# KiCad board coco2.kicad_pcb
title: TRS-80 Color Computer 2 NTSC ( 26-3134A & 26-3136A); date: 2022-03-05; rev: 1.0.0; company: TRS-80 Color Computer 2 (26-3134A & 26-3136A); note: DWG NO 20261044; note: Based on  "Color Computer 2 Schematic (Rev. A) (Tandy).pdf"; note: Kicad schematic capture by Rocky Hill
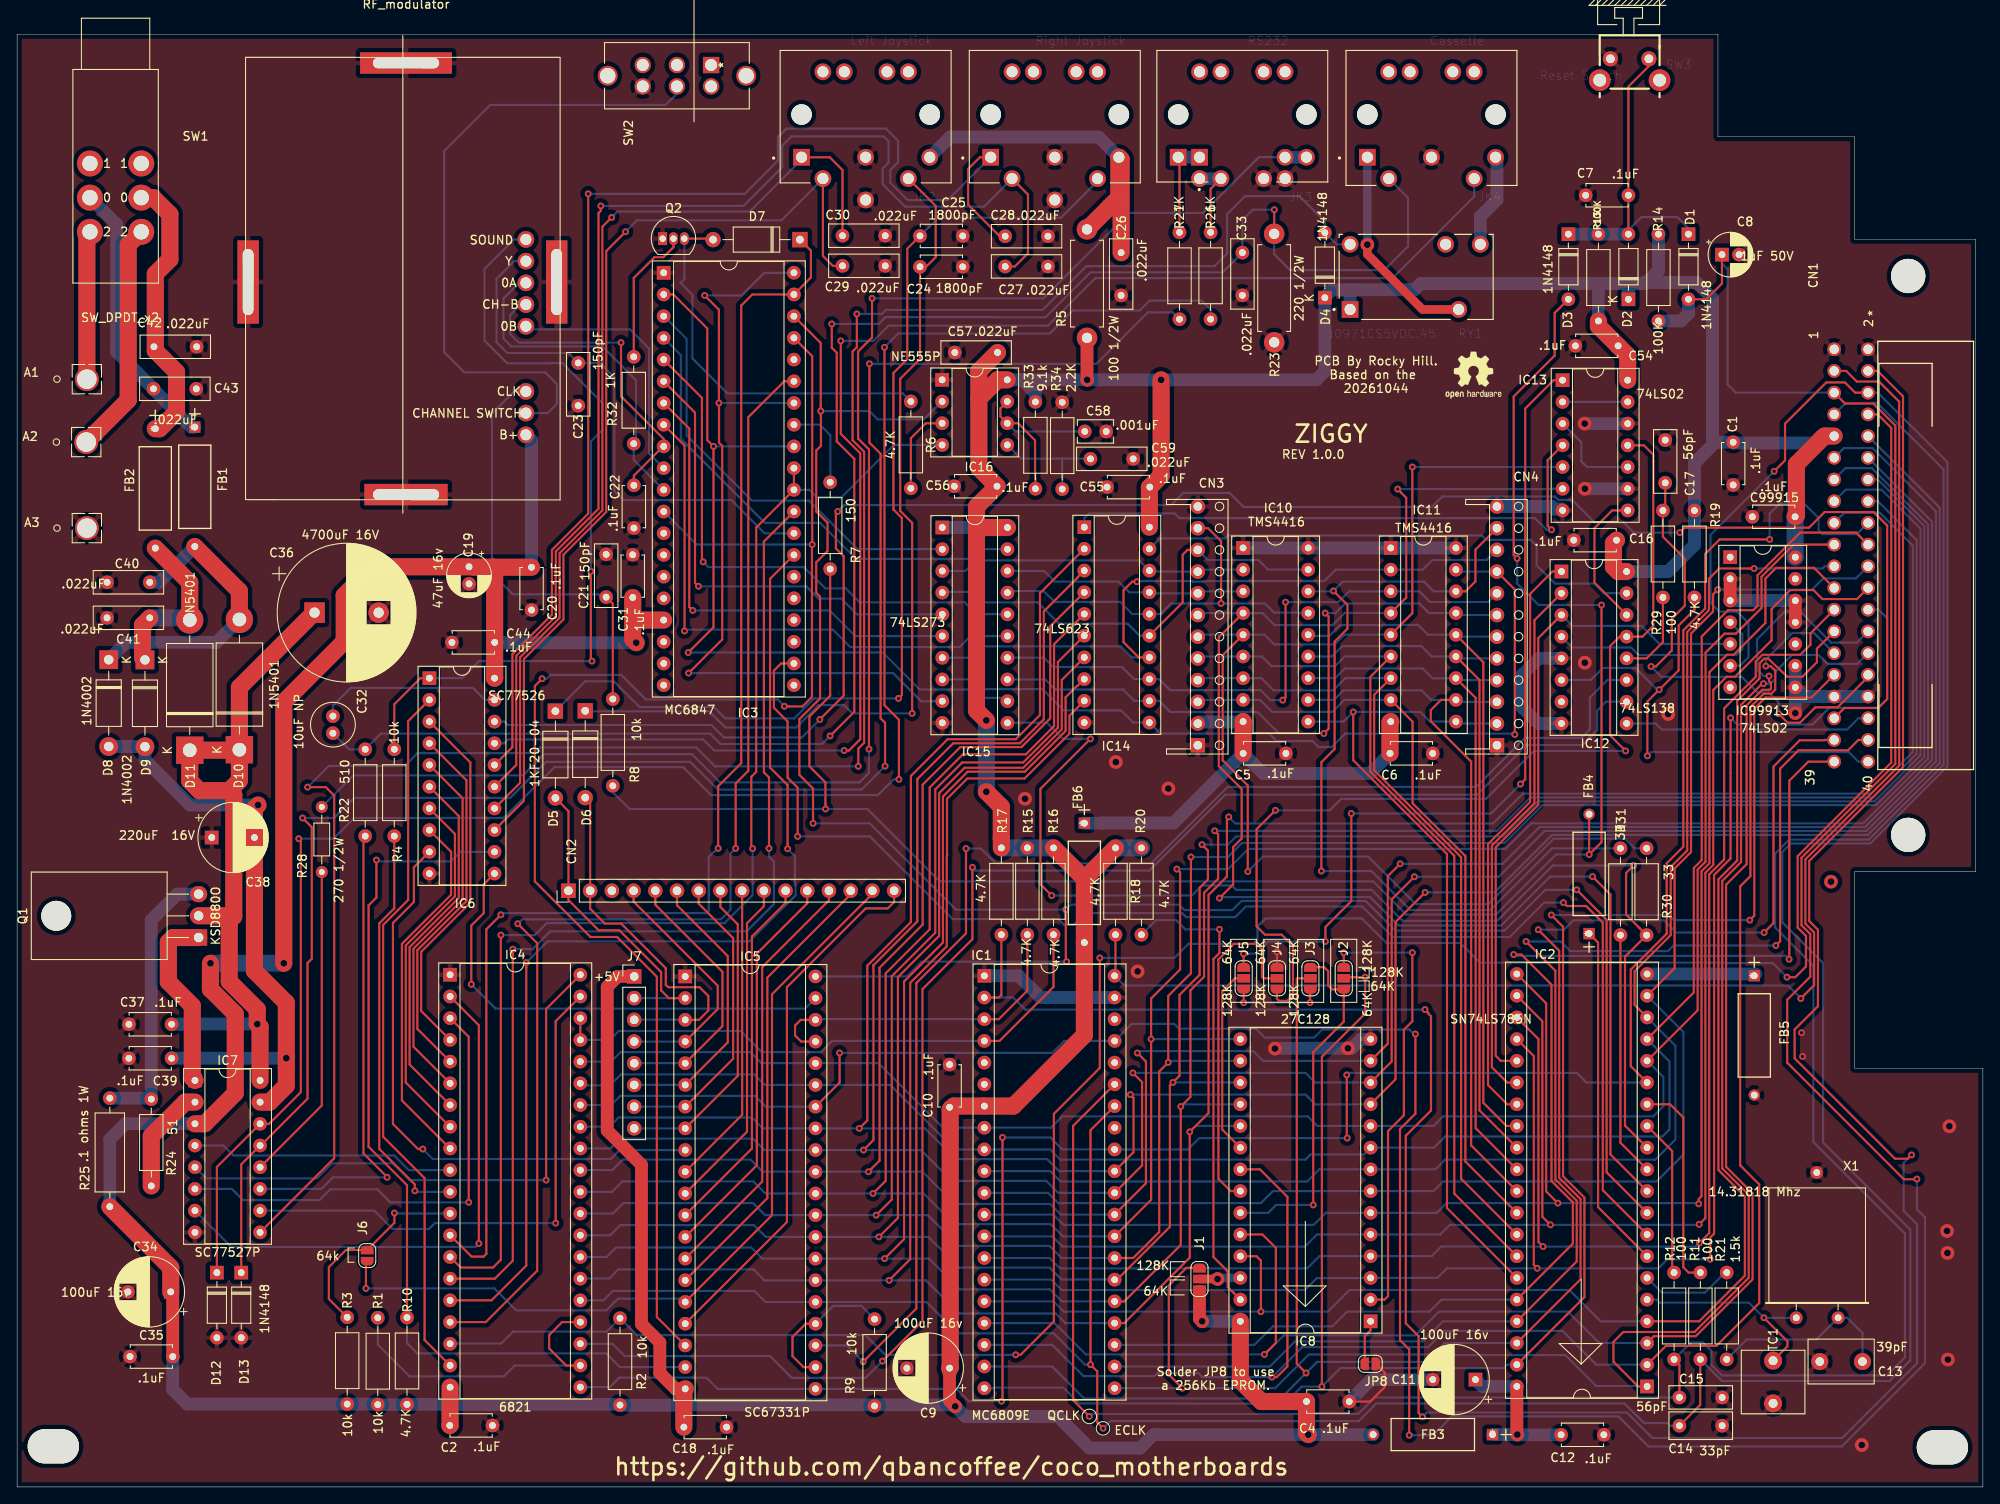
[diagram p0: board, top side]
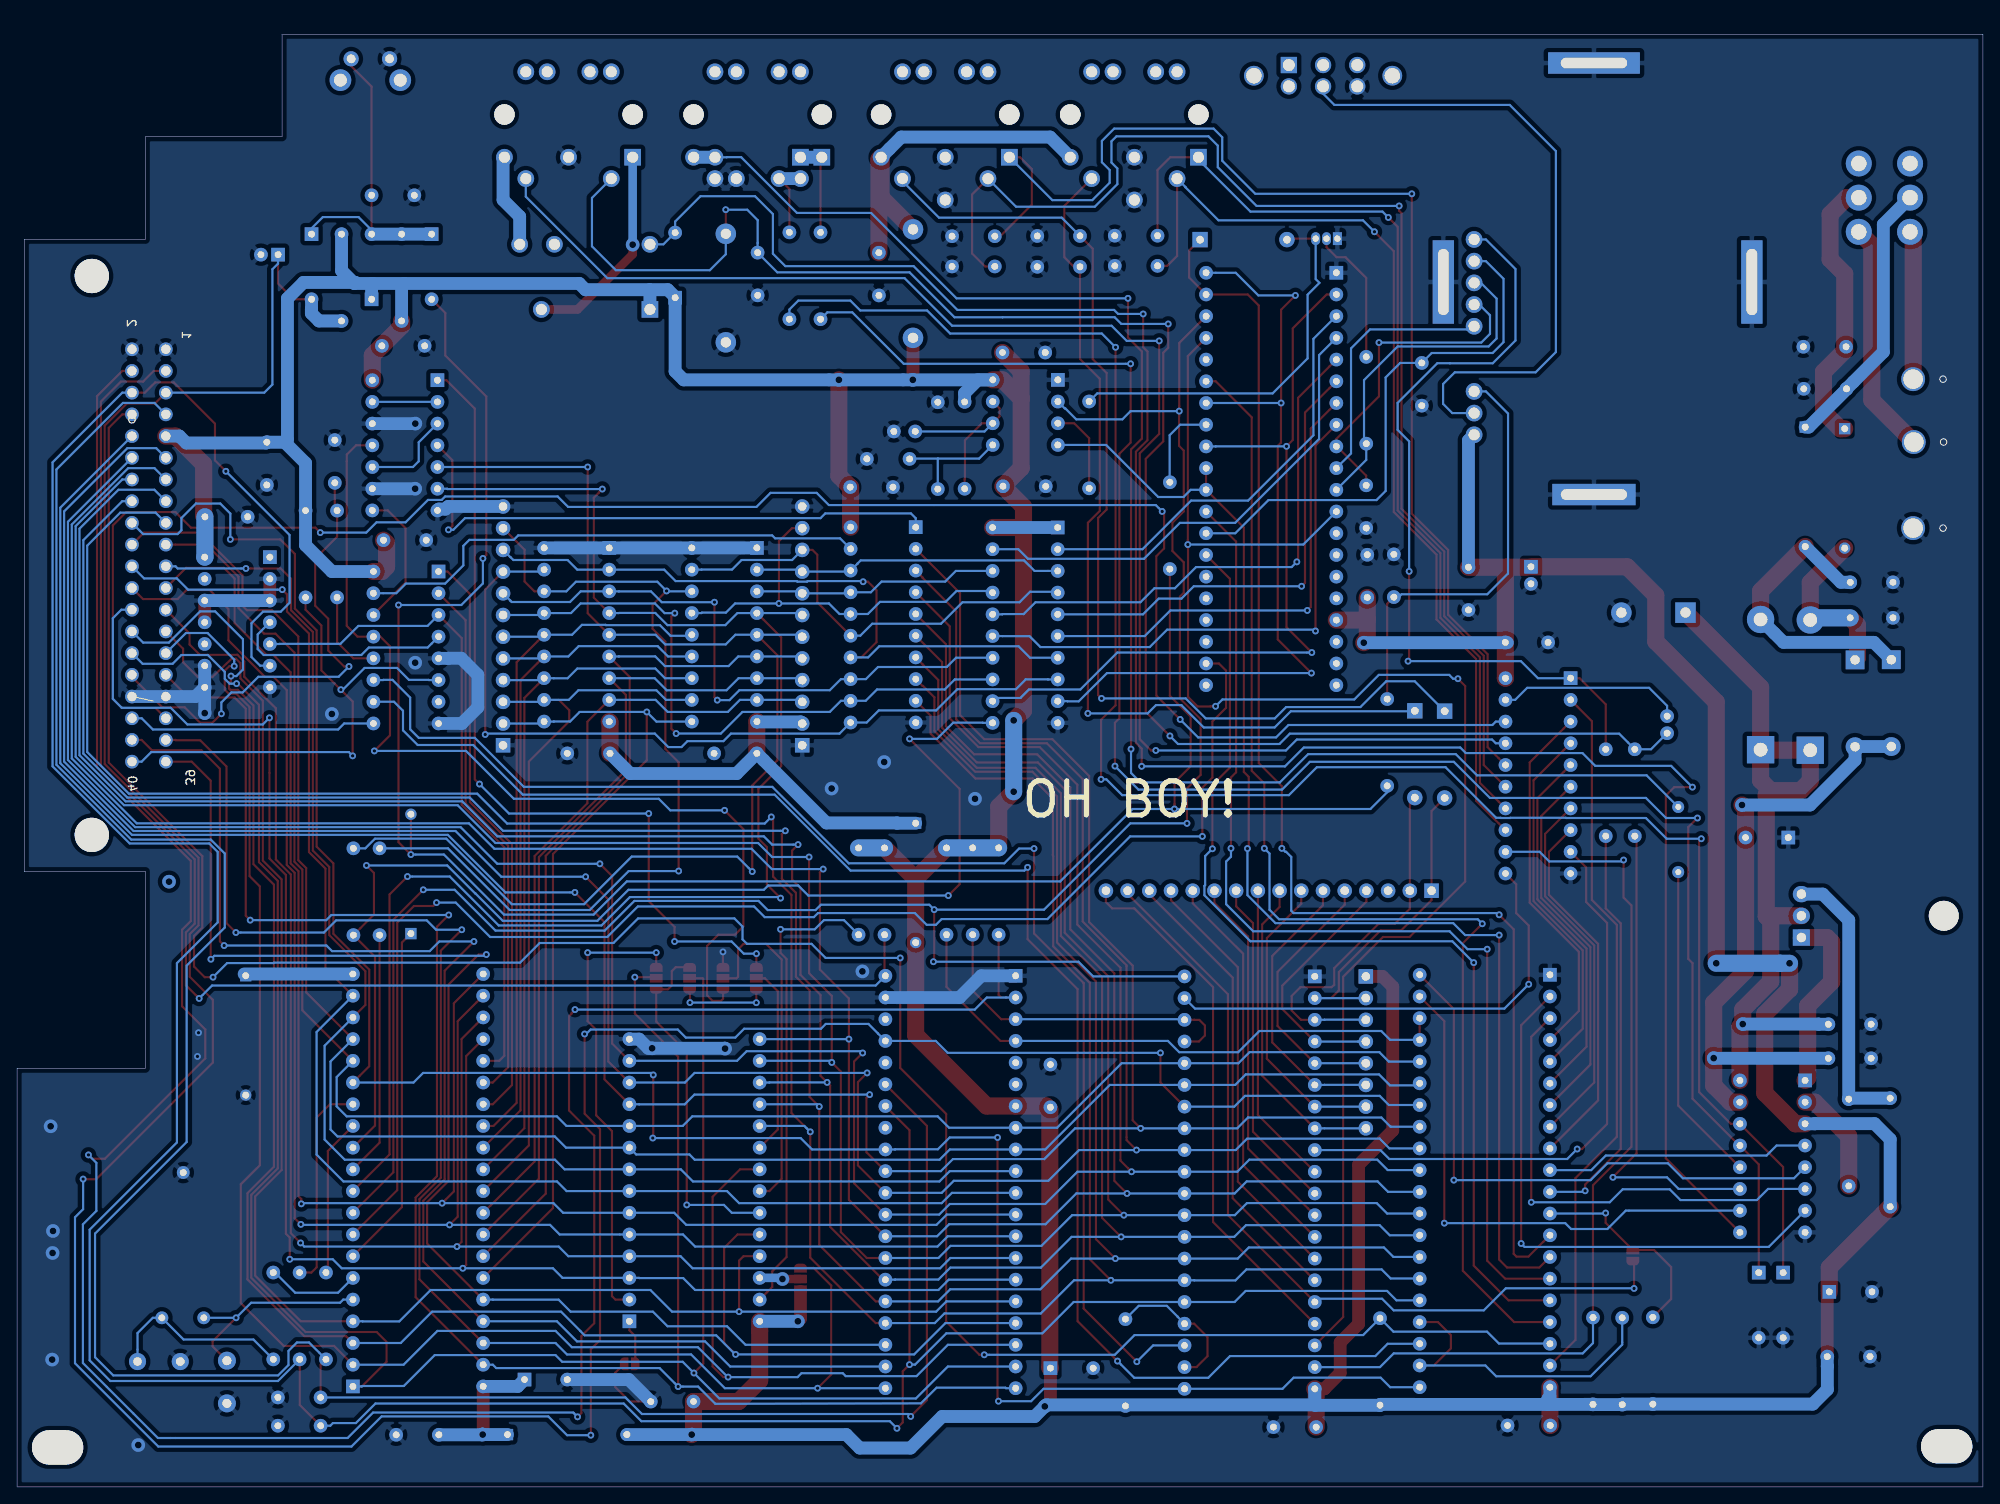
[diagram p1: board, bottom side, seen from below]

Outline 230 x 170 mm; copper layers: Top, Bottom. Coordinates in mm from the lower left corner of the outline.
Outline path: 0,170 199,170 199,158 215,158 215,146 229.16,146 229.16,72 215,72 215,49 230,49 230,0 0,0 0,170

## Placement (name value [footprint] x y rotation side)
A1  A1  [power_connector_post]  8.16 129.63 0 top
A2  A2  [power_connector_post]  8.09 122.27 0 top
A3  A3  [power_connector_post]  8.16 112.2 0 top
C1  .1uF  [C_Disc_D4.7mm_W2.5mm_P5.00mm]  200.78 122.25 270 top
C2  .1uF  [C_Disc_D4.7mm_W2.5mm_P5.00mm]  55.62 7.19 180 top
C4  .1uF  [C_Disc_D4.7mm_W2.5mm_P5.00mm]  150.86 9.99 0 top
C5  .1uF  [C_Disc_D4.7mm_W2.5mm_P5.00mm]  148.45 85.84 180 top
C6  .1uF  [C_Disc_D4.7mm_W2.5mm_P5.00mm]  165.63 85.84 180 top
C7  .1uF  [C_Disc_D4.7mm_W2.5mm_P5.00mm]  188.53 151.15 180 top
C8  1uF 50V  [CP_Radial_D5.0mm_P2.00mm]  199.47 144.2 0 top
C9  100uF 16v  [CP_Radial_D8.0mm_P5.00mm]  109.1 13.9 180 top
C10  .1uF  [C_Disc_D4.7mm_W2.5mm_P5.00mm]  109.1 49.43 270 top
C11  100uF 16v  [CP_Radial_D8.0mm_P5.00mm]  170.63 12.56 180 top
C12  .1uF  [C_Disc_D4.7mm_W2.5mm_P5.00mm]  185.65 6.1 180 top
C13  39pF  [C_Disc_D7.5mm_W5.0mm_P5.00mm]  215.91 14.67 180 top
C14  33pF  [C_Rect_L7.2mm_W3.0mm_P5.00mm_FKS2_FKP2_MKS2_MKP2]  199.49 7.16 180 top
C15  56pF  [C_Rect_L7.2mm_W2.5mm_P5.00mm_FKS2_FKP2_MKS2_MKP2]  199.49 10.47 180 top
C16  .1uF  [C_Disc_D4.7mm_W2.5mm_P5.00mm]  187.13 110.79 180 top
C17  56pF  [C_Rect_L7.2mm_W2.5mm_P5.00mm_FKS2_FKP2_MKS2_MKP2]  192.83 122.5 270 top
C18  .1uF  [C_Disc_D4.7mm_W2.5mm_P5.00mm]  83.01 7 180 top
C19  47uF 16v  [CP_Radial_D5.0mm_P2.00mm]  52.87 107.68 270 top
C20  .1uF  [C_Disc_D4.7mm_W2.5mm_P5.00mm]  60.19 107.62 270 top
C21  150pF  [C_Rect_L7.2mm_W2.5mm_P5.00mm_FKS2_FKP2_MKS2_MKP2]  68.92 109.13 270 top
C22  .1uF  [C_Disc_D4.7mm_W2.5mm_P5.00mm]  72.16 117.21 270 top
C23  150pF  [C_Rect_L7.2mm_W2.5mm_P5.00mm_FKS2_FKP2_MKS2_MKP2]  65.65 126.53 90 top
C24  1800pF  [C_Disc_D4.7mm_W2.5mm_P5.00mm]  105.64 142.78 0 top
C25  1800pF  [C_Disc_D4.7mm_W2.5mm_P5.00mm]  105.64 146.39 0 top
C26  .022uF  [C_Disc_D8.0mm_W2.5mm_P5.00mm]  129.17 144.43 270 top
C27  .022uF  [C_Disc_D8.0mm_W2.5mm_P5.00mm]  115.61 142.82 0 top
C28  .022uF  [C_Disc_D8.0mm_W2.5mm_P5.00mm]  120.61 146.36 180 top
C29  .022uF  [C_Disc_D8.0mm_W2.5mm_P5.00mm]  96.57 142.89 0 top
C30  .022uF  [C_Disc_D8.0mm_W2.5mm_P5.00mm]  101.57 146.42 180 top
C31  .1uF  [C_Disc_D4.7mm_W2.5mm_P5.00mm]  72.03 104.08 90 top
C32  10uF NP  [C_Radial_D5.0mm_H11.0mm_P2.00mm]  36.95 88.2 90 top
C33  .022uF  [C_Disc_D8.0mm_W2.5mm_P5.00mm]  143.36 139.44 90 top
C34  100uF 16v  [CP_Radial_D8.0mm_P5.00mm]  17.97 22.83 180 top
C35  .1uF  [C_Disc_D4.7mm_W2.5mm_P5.00mm]  13.21 15.25 0 top
C36  4700uF 16V  [CP_Radial_D16.0mm_P7.50mm]  34.8 102.31 0 top
C37  .1uF  [C_Disc_D4.7mm_W2.5mm_P5.00mm]  13.08 54.14 0 top
C38  220uF  16V  [CP_Radial_D8.0mm_P5.00mm]  22.77 75.99 0 top
C39  .1uF  [C_Disc_D4.7mm_W2.5mm_P5.00mm]  18.08 50.16 180 top
C40  .022uF  [C_Disc_D8.0mm_W2.5mm_P5.00mm]  15.52 105.86 180 top
C41  .022uF  [C_Disc_D8.0mm_W2.5mm_P5.00mm]  15.52 101.7 180 top
C42  .022uF  [C_Disc_D8.0mm_W2.5mm_P5.00mm]  16.01 133.42 0 top
C43  .022uF  [C_Disc_D8.0mm_W2.5mm_P5.00mm]  15.96 128.5 0 top
C44  .1uF  [C_Disc_D4.7mm_W2.5mm_P5.00mm]  50.87 98.83 0 top
C54  .1uF  [C_Disc_D4.7mm_W2.5mm_P5.00mm]  187.32 133.53 180 top
C55  .1uF  [C_Disc_D4.7mm_W2.5mm_P5.00mm]  132.52 117 180 top
C56  .1uF  [C_Disc_D4.7mm_W2.5mm_P5.00mm]  114.65 117.1 180 top
C57  .022uF  [C_Disc_D8.0mm_W2.5mm_P5.00mm]  109.71 132.75 0 top
C58  .001uF  [C_Rect_L4.0mm_W2.5mm_P2.50mm]  124.92 123.51 0 top
C59  .022uF  [C_Disc_D8.0mm_W2.5mm_P5.00mm]  125.58 120.3 0 top
C99915  .1uF  [C_Disc_D4.7mm_W2.5mm_P5.00mm]  208.03 113.53 180 top
CN1  Conn_02x20_Odd_Even  [EBC20DRAS]  216.56 133.13 270 top
CN2  Conn_01x16_Female  [PinHeader_1x16_P2.54mm_Vertical]  64.51 69.77 90 top
CN3  Conn_01x12_Female  [PinSocket_1x12_P2.54mm_for_memory_board_adapter]  138.14 86.79 180 top
CN4  Conn_01x12_Female  [PinSocket_1x12_P2.54mm_for_memory_board_adapter]  173.14 86.79 180 top
D1  1N4148  [D_DO-35_SOD27_P7.62mm_Horizontal]  195.55 146.6 270 top
D2  1N4148  [D_DO-35_SOD27_P7.62mm_Horizontal]  188.53 138.98 90 top
D3  1N4148  [D_DO-35_SOD27_P7.62mm_Horizontal]  181.5 146.6 270 top
D4  1N4148  [D_DO-35_SOD27_P7.62mm_Horizontal]  153.01 139.16 90 top
D5  1KF20-04  [D_A-405_P10.16mm_Horizontal]  62.98 90.78 270 top
D6  1KF20-04  [D_A-405_P10.16mm_Horizontal]  66.47 90.82 270 top
D7  1KF20-04  [D_A-405_P10.16mm_Horizontal]  91.59 145.96 180 top
D8  1N4002  [D_DO-41_SOD81_P10.16mm_Horizontal]  10.72 96.8 270 top
D9  1N4002  [D_DO-41_SOD81_P10.16mm_Horizontal]  14.96 96.78 270 top
D10  1N5401  [D_DO-201AD_P15.24mm_Horizontal]  26.01 86.27 90 top
D11  1N5401  [D_DO-201AD_P15.24mm_Horizontal]  20.2 86.21 90 top
D12  1N4148  [D_DO-35_SOD27_P7.62mm_Horizontal]  23.38 25.08 270 top
D13  1N4148  [D_DO-35_SOD27_P7.62mm_Horizontal]  26.22 25.08 270 top
FB1  Ferrite_Bead_Small  [ferrite_bead]  20.79 124.02 270 top
FB2  Ferrite_Bead_Small  [ferrite_bead]  16.17 123.83 270 top
FB3  Ferrite_Bead_Small  [ferrite_bead]  172.62 6.12 180 top
FB4  Ferrite_Bead_Small  [ferrite_bead]  183.93 64.75 90 top
FB5  Ferrite_Bead_Small  [ferrite_bead]  203.25 59.82 270 top
FB6  Ferrite_Bead_Small  [ferrite_bead]  124.87 77.67 270 top
H999002  MountingHole  [MountingHole_4mm]  225.26 4.62 0 top
H999003  MountingHole  [MountingHole_4mm]  4.24 4.75 0 top
IC1  MC6809E  [DIP-40_W15.24mm_Socket]  113.17 59.81 0 top
IC2  SN74LS785N  [DIP-40_W15.24mm_Socket]  190.71 11.76 180 top
IC3  MC6847  [DIP-40_W15.24mm_Socket]  75.65 142.08 0 top
IC4  6821  [DIP-40_W15.24mm_Socket]  50.66 59.93 0 top
IC5  SC67331P  [DIP-40_W15.24mm_Socket]  78.17 59.74 0 top
IC6  SC77526  [DIP-20_W7.62mm_Socket]  48.24 94.64 0 top
IC7  SC77527P  [DIP-16_W7.62mm_Socket]  20.81 47.57 0 top
IC8  27C128  [DIP-28_W15.24mm_Socket]  158.36 19.38 180 top
IC10  TMS4416  [DIP-18_W7.62mm_Socket]  143.44 109.88 0 top
IC11  TMS4416  [DIP-18_W7.62mm_Socket]  160.72 109.88 0 top
IC12  74LS138  [DIP-16_W7.62mm_Socket]  180.69 107.12 0 top
IC13  74LS02  [DIP-14_W7.62mm_Socket]  180.82 129.51 0 top
IC14  74LS623  [DIP-20_W7.62mm_Socket]  124.86 112.31 0 top
IC15  74LS273  [DIP-20_W7.62mm_Socket]  108.25 112.27 0 top
IC16  NE555P  [DIP-8_W7.62mm_Socket]  108.23 129.55 0 top
IC99913  74LS02  [DIP-14_W7.62mm_Socket]  200.43 108.8 0 top
J1  128K   64K  [SolderJumper-3_P1.3mm_Open_RoundedPad1.0x1.5mm_NumberLabels]  138.34 24.33 270 top
J2  64K   128K  [SolderJumper-3_P1.3mm_Open_RoundedPad1.0x1.5mm_NumberLabels]  155.22 59.52 90 top
J3  128K   64K  [SolderJumper-3_P1.3mm_Open_RoundedPad1.0x1.5mm_NumberLabels]  151.32 59.52 270 top
J4  128K   64K  [SolderJumper-3_P1.3mm_Open_RoundedPad1.0x1.5mm_NumberLabels]  147.41 59.52 270 top
J5  128K   64K  [SolderJumper-3_P1.3mm_Open_RoundedPad1.0x1.5mm_NumberLabels]  143.51 59.52 270 top
J6  SolderJumper_2_Open  [SolderJumper-2_P1.3mm_Open_RoundedPad1.0x1.5mm]  40.96 27.07 90 top
J7  Conn_01x08  [PinHeader_1x08_P2.54mm_Vertical]  72.2 59.74 0 top
JK1  Right Joystick  [CUI_SDS-60J]  121.41 160.6 180 top
JK2  Left Joystick  [CUI_SDS-60J]  99.28 160.6 180 top
JK3  RS232  [CUI_SDS-40J]  143.35 160.6 180 top
JK4  Cassette  [CUI_SDS-50J]  165.48 160.6 180 top
JP8  SolderJumper_2_Open  [SolderJumper-2_P1.3mm_Open_RoundedPad1.0x1.5mm]  158.32 14.4 0 top
LOGO1  coco2_3134x_layout  [coco2_3134A_layout]  115.56 85.21 0 top
LOGO2  coco2_3134x_layout_top  [coco2_3134A_layout_top]  113.7 85.23 0 top
LOGO3  Logo_Open_Hardware_Large  [OSHW-Logo2_7.3x6mm_SilkScreen]  170.4 130.1 0 top
MDV-6  RF_modulator  [CoCo_2_3134A_RF_Modulator]  64.73 169.5 0 top
Q1  KSD880O  [TO-220-3_Horizontal_TabDown]  21.24 64.29 90 top
Q2  2N3904  [TO-92_Inline]  75.52 146.08 0 top
R1  10k  [R_Axial_DIN0207_L6.3mm_D2.5mm_P10.16mm_Horizontal]  42.2 9.63 90 top
R2  10k  [R_Axial_DIN0207_L6.3mm_D2.5mm_P10.16mm_Horizontal]  70.54 19.74 270 top
R3  10k  [R_Axial_DIN0207_L6.3mm_D2.5mm_P10.16mm_Horizontal]  38.62 9.69 90 top
R4  10k  [R_Axial_DIN0207_L6.3mm_D2.5mm_P10.16mm_Horizontal]  44.13 86.32 270 top
R5  100 1/2W  [R_Axial_DIN0411_L9.9mm_D3.6mm_P12.70mm_Horizontal]  125.18 134.46 90 top
R6  4.7K  [R_Axial_DIN0207_L6.3mm_D2.5mm_P10.16mm_Horizontal]  104.57 127.02 270 top
R7  150  [R_Axial_DIN0207_L6.3mm_D2.5mm_P10.16mm_Horizontal]  95.13 107.41 90 top
R8  10k  [R_Axial_DIN0207_L6.3mm_D2.5mm_P10.16mm_Horizontal]  69.7 92.2 270 top
R9  10k  [R_Axial_DIN0207_L6.3mm_D2.5mm_P10.16mm_Horizontal]  100.33 9.47 90 top
R10  4.7K  [R_Axial_DIN0207_L6.3mm_D2.5mm_P10.16mm_Horizontal]  45.62 19.82 270 top
R11  100  [R_Axial_DIN0207_L6.3mm_D2.5mm_P10.16mm_Horizontal]  196.94 14.93 90 top
R12  100  [R_Axial_DIN0207_L6.3mm_D2.5mm_P10.16mm_Horizontal]  193.87 14.93 90 top
R13  100K  [R_Axial_DIN0207_L6.3mm_D2.5mm_P10.16mm_Horizontal]  185.01 136.44 90 top
R14  100K  [R_Axial_DIN0207_L6.3mm_D2.5mm_P10.16mm_Horizontal]  192.04 146.6 270 top
R15  4.7K  [R_Axial_DIN0207_L6.3mm_D2.5mm_P10.16mm_Horizontal]  118.2 74.78 270 top
R16  4.7K  [R_Axial_DIN0207_L6.3mm_D2.5mm_P10.16mm_Horizontal]  121.26 74.78 270 top
R17  4.7K  [R_Axial_DIN0207_L6.3mm_D2.5mm_P10.16mm_Horizontal]  115.16 74.78 270 top
R18  4.7K  [R_Axial_DIN0207_L6.3mm_D2.5mm_P10.16mm_Horizontal]  128.51 74.78 270 top
R19  4.7K  [R_Axial_DIN0207_L6.3mm_D2.5mm_P10.16mm_Horizontal]  196.25 114.25 270 top
R20  4.7K  [R_Axial_DIN0207_L6.3mm_D2.5mm_P10.16mm_Horizontal]  131.55 74.78 270 top
R21  1.5k  [R_Axial_DIN0207_L6.3mm_D2.5mm_P10.16mm_Horizontal]  200.03 25.09 270 top
R22  510  [R_Axial_DIN0207_L6.3mm_D2.5mm_P10.16mm_Horizontal]  40.73 86.32 270 top
R23  220 1/2W  [R_Axial_DIN0411_L9.9mm_D3.6mm_P12.70mm_Horizontal]  147.08 133.94 90 top
R24  51  [R_Axial_DIN0207_L6.3mm_D2.5mm_P10.16mm_Horizontal]  15.7 45.38 270 top
R25  .1 ohms 1W  [R_Axial_DIN0309_L9.0mm_D3.2mm_P12.70mm_Horizontal]  10.85 32.79 90 top
R26  1K  [R_Axial_DIN0207_L6.3mm_D2.5mm_P10.16mm_Horizontal]  139.64 136.65 90 top
R27  1K  [R_Axial_DIN0207_L6.3mm_D2.5mm_P10.16mm_Horizontal]  136 136.65 90 top
R28  270 1/2W  [R_Axial_DIN0204_L3.6mm_D1.6mm_P7.62mm_Horizontal]  35.65 79.57 270 top
R29  100  [R_Axial_DIN0207_L6.3mm_D2.5mm_P10.16mm_Horizontal]  192.56 114.25 270 top
R30  33  [R_Axial_DIN0207_L6.3mm_D2.5mm_P10.16mm_Horizontal]  190.65 74.73 270 top
R31  33  [R_Axial_DIN0207_L6.3mm_D2.5mm_P10.16mm_Horizontal]  187.59 74.73 270 top
R32  1K  [R_Axial_DIN0207_L6.3mm_D2.5mm_P10.16mm_Horizontal]  72.15 122.08 90 top
R33  9.1k  [R_Axial_DIN0207_L6.3mm_D2.5mm_P10.16mm_Horizontal]  119.14 116.81 90 top
R34  2.2K  [R_Axial_DIN0207_L6.3mm_D2.5mm_P10.16mm_Horizontal]  122.28 126.93 270 top
RY1  J0971CS5VDC.45  [RELAY_J0971CS5VDC.45]  163.69 141.6 0 top
SW1  SW_DPDT_x2  [F2UEE]  14.52 154.87 0 top
SW2  Channel Switch  [MFS201N-16-Z]  81.2 166.39 270 top
SW3  Reset Switch  [B3F3152]  192.17 164.62 180 top
TC1  C_Variable  [C_Rect_L7.2mm_W7.2mm_P5.00mm_FKS2_FKP2_MKS2_MKP2]  205.45 14.78 270 top
X1  14.31818 Mhz  [Crystal_HC49-U_Horizontal]  213.06 19.79 180 top

## Library data of the parts
A1-A3 = -: Field4: Copyright 2021 Accelerated Designs. All rights reserved.
D1 D3 D5-D7 D12 D13 = -: Field4: K; Field5: K
FB3 FB6 = -: Field4: Copyright 2016 Accelerated Designs. All rights reserved.
J3 J4 = -: Field4: 3; Field5: 1
J5 = -: Field4: 1; Field5: 3
SW2 = -: Field4: 0.157in/4mm; Field5: 0.075in/1.905mm; Field6: 0.098in/2.5mm; Field7: 0.075in/1.905mm

## Footprints (pads in the part's own frame, mm; a bottom-side part is the same pattern mirrored in y, then rotated)
B3F3152
  round 1.778 hole 1.016: 1(1.25,-2.5) 2(5.75,-2.5)
  round 2.54 hole 1.5: GNDS(0,0) GNDS(7,0)
C_Disc_D4.7mm_W2.5mm_P5.00mm
  round 1.6 hole 0.8: 1(0,0) 2(5,0)
C_Disc_D7.5mm_W5.0mm_P5.00mm
  round 2 hole 1: 1(0,0) 2(5,0)
C_Disc_D8.0mm_W2.5mm_P5.00mm
  round 1.6 hole 0.8: 1(0,0) 2(5,0)
C_Radial_D5.0mm_H11.0mm_P2.00mm
  round 1.6 hole 0.8: 1(0,0) 2(2,0)
C_Rect_L4.0mm_W2.5mm_P2.50mm
  round 1.6 hole 0.8: 1(0,0) 2(2.5,0)
C_Rect_L7.2mm_W2.5mm_P5.00mm_FKS2_FKP2_MKS2_MKP2
  round 1.6 hole 0.8: 1(0,0) 2(5,0)
C_Rect_L7.2mm_W3.0mm_P5.00mm_FKS2_FKP2_MKS2_MKP2
  round 1.6 hole 0.8: 1(0,0) 2(5,0)
C_Rect_L7.2mm_W7.2mm_P5.00mm_FKS2_FKP2_MKS2_MKP2
  round 2.1 hole 1.05: 1(0,0) 2(5,0)
CoCo_2_3134A_RF_Modulator
  round 1.95 hole 1.3: 1(-5.2,-46.38) 2(-5.2,-43.84) 3(-5.2,-41.3) 4(-5.2,-33.68) 5(-5.2,-31.14) 6(-5.2,-28.6) 7(-5.2,-26.06) 8(-5.2,-23.52)
  rect 2.5x9.75 hole 1.25x7.75: 9(-37.7,-28.5) 9(-1.6,-28.5)
  rect 10.75x2.5 hole 7.75x1.25: 9(-19.225,-2.875)
  rect 9.75x2.5 hole 7.75x1.25: 9(-19.225,-53.375)
CP_Radial_D5.0mm_P2.00mm
  rect 1.6x1.6 hole 0.8: 1(0,0)
  round 1.6 hole 0.8: 2(2,0)
CP_Radial_D8.0mm_P5.00mm
  rect 1.6x1.6 hole 0.8: 1(0,0)
  round 1.6 hole 0.8: 2(5,0)
CP_Radial_D16.0mm_P7.50mm
  rect 2.4x2.4 hole 1.2: 1(0,0)
  round 2.4 hole 1.2: 2(7.5,0)
Crystal_HC49-U_Horizontal
  round 1.5 hole 0.8: 1(0,0) 2(4.9,0) 3(2.5,-17)
CUI_SDS-40J
  round 2.4 hole 2.4 unplated: (-7.5,0) (7.5,0)
  rect 1.95x1.95 hole 1.3: 1(5,5) 1(7.5,5)
  round 1.95 hole 1.3: 2(2.5,7.5) 2(5,7.5) 3(-5,7.5) 3(-2.5,7.5) 4(-7.5,5) 4(-5,5) E1(-5,-5) E1(-2.5,-5) E2(2.5,-5) E2(5,-5)
CUI_SDS-50J
  round 2.4 hole 2.4 unplated: (-7.5,0) (7.5,0)
  rect 1.95x1.95 hole 1.3: 1(7.5,5)
  round 1.95 hole 1.3: 2(0,5) 3(-7.5,5) 4(5,7.5) 5(-5,7.5) E1(-5,-5) E1(-2.5,-5) E2(2.5,-5) E2(5,-5)
CUI_SDS-60J
  round 2.4 hole 2.4 unplated: (-7.5,0) (7.5,0)
  rect 1.95x1.95 hole 1.3: 1(7.5,5)
  round 1.95 hole 1.3: 2(5,7.5) 3(0,5) 4(-5,7.5) 5(-7.5,5) 6(0,10) E1(-5,-5) E1(-2.5,-5) E2(2.5,-5) E2(5,-5)
D_A-405_P10.16mm_Horizontal
  rect 1.8x1.8 hole 0.9: 1(0,0)
  oval 1.8x1.8 hole 0.9: 2(10.16,0)
D_DO-35_SOD27_P7.62mm_Horizontal
  rect 1.6x1.6 hole 0.8: 1(0,0)
  oval 1.6x1.6 hole 0.8: 2(7.62,0)
D_DO-41_SOD81_P10.16mm_Horizontal
  rect 2.2x2.2 hole 1.1: 1(0,0)
  oval 2.2x2.2 hole 1.1: 2(10.16,0)
D_DO-201AD_P15.24mm_Horizontal
  rect 3.2x3.2 hole 1.6: 1(0,0)
  oval 3.2x3.2 hole 1.6: 2(15.24,0)
DIP-8_W7.62mm_Socket
  rect 1.6x1.6 hole 0.8: 1(0,0)
  oval 1.6x1.6 hole 0.8: 2(0,-2.54) 3(0,-5.08) 4(0,-7.62) 5(7.62,-7.62) 6(7.62,-5.08) 7(7.62,-2.54) 8(7.62,0)
DIP-14_W7.62mm_Socket
  rect 1.6x1.6 hole 0.8: 1(0,0)
  oval 1.6x1.6 hole 0.8: 2(0,-2.54) 3(0,-5.08) 4(0,-7.62) 5(0,-10.16) 6(0,-12.7) 7(0,-15.24) 8(7.62,-15.24) 9(7.62,-12.7) 10(7.62,-10.16) 11(7.62,-7.62) 12(7.62,-5.08) 13(7.62,-2.54) 14(7.62,0)
DIP-16_W7.62mm_Socket
  rect 1.6x1.6 hole 0.8: 1(0,0)
  oval 1.6x1.6 hole 0.8: 2(0,-2.54) 3(0,-5.08) 4(0,-7.62) 5(0,-10.16) 6(0,-12.7) 7(0,-15.24) 8(0,-17.78) 9(7.62,-17.78) 10(7.62,-15.24) 11(7.62,-12.7) 12(7.62,-10.16) 13(7.62,-7.62) 14(7.62,-5.08) 15(7.62,-2.54) 16(7.62,0)
DIP-18_W7.62mm_Socket
  rect 1.6x1.6 hole 0.8: 1(0,0)
  oval 1.6x1.6 hole 0.8: 2(0,-2.54) 3(0,-5.08) 4(0,-7.62) 5(0,-10.16) 6(0,-12.7) 7(0,-15.24) 8(0,-17.78) 9(0,-20.32) 10(7.62,-20.32) 11(7.62,-17.78) 12(7.62,-15.24) 13(7.62,-12.7) 14(7.62,-10.16) 15(7.62,-7.62) 16(7.62,-5.08) 17(7.62,-2.54) 18(7.62,0)
DIP-20_W7.62mm_Socket
  rect 1.6x1.6 hole 0.8: 1(0,0)
  oval 1.6x1.6 hole 0.8: 2(0,-2.54) 3(0,-5.08) 4(0,-7.62) 5(0,-10.16) 6(0,-12.7) 7(0,-15.24) 8(0,-17.78) 9(0,-20.32) 10(0,-22.86) 11(7.62,-22.86) 12(7.62,-20.32) 13(7.62,-17.78) 14(7.62,-15.24) 15(7.62,-12.7) 16(7.62,-10.16) 17(7.62,-7.62) 18(7.62,-5.08) 19(7.62,-2.54) 20(7.62,0)
DIP-28_W15.24mm_Socket
  rect 1.6x1.6 hole 0.8: 1(0,0)
  oval 1.6x1.6 hole 0.8: 2(0,-2.54) 3(0,-5.08) 4(0,-7.62) 5(0,-10.16) 6(0,-12.7) 7(0,-15.24) 8(0,-17.78) 9(0,-20.32) 10(0,-22.86) 11(0,-25.4) 12(0,-27.94) 13(0,-30.48) 14(0,-33.02) 15(15.24,-33.02) 16(15.24,-30.48) 17(15.24,-27.94) 18(15.24,-25.4) 19(15.24,-22.86) 20(15.24,-20.32) 21(15.24,-17.78) 22(15.24,-15.24) 23(15.24,-12.7) 24(15.24,-10.16) 25(15.24,-7.62) 26(15.24,-5.08) 27(15.24,-2.54) 28(15.24,0)
DIP-40_W15.24mm_Socket
  rect 1.6x1.6 hole 0.8: 1(0,0)
  oval 1.6x1.6 hole 0.8: 2(0,-2.54) 3(0,-5.08) 4(0,-7.62) 5(0,-10.16) 6(0,-12.7) 7(0,-15.24) 8(0,-17.78) 9(0,-20.32) 10(0,-22.86) 11(0,-25.4) 12(0,-27.94) 13(0,-30.48) 14(0,-33.02) 15(0,-35.56) 16(0,-38.1) 17(0,-40.64) 18(0,-43.18) 19(0,-45.72) 20(0,-48.26) 21(15.24,-48.26) 22(15.24,-45.72) 23(15.24,-43.18) 24(15.24,-40.64) 25(15.24,-38.1) 26(15.24,-35.56) 27(15.24,-33.02) 28(15.24,-30.48) 29(15.24,-27.94) 30(15.24,-25.4) 31(15.24,-22.86) 32(15.24,-20.32) 33(15.24,-17.78) 34(15.24,-15.24) 35(15.24,-12.7) 36(15.24,-10.16) 37(15.24,-7.62) 38(15.24,-5.08) 39(15.24,-2.54) 40(15.24,0)
EBC20DRAS
  round 4 hole 4: (-8.572,4.699) (56.833,4.699)
  round 1.6 hole 1.092: 1(0,-3.962) 2(0,0) 3(2.54,-3.962) 4(2.54,0) 5(5.08,-3.962) 6(5.08,0) 7(7.62,-3.962) 8(7.62,0) 9(10.16,-3.962) 10(10.16,0) 11(12.7,-3.962) 12(12.7,0) 13(15.24,-3.962) 14(15.24,0) 15(17.78,-3.962) 16(17.78,0) 17(20.32,-3.962) 18(20.32,0) 19(22.86,-3.962) 20(22.86,0) 21(25.4,-3.962) 22(25.4,0) 23(27.94,-3.962) 24(27.94,0) 25(30.48,-3.962) 26(30.48,0) 27(33.02,-3.962) 28(33.02,0) 29(35.56,-3.962) 30(35.56,0) 31(38.1,-3.962) 32(38.1,0) 33(40.64,-3.962) 34(40.64,0) 35(43.18,-3.962) 36(43.18,0) 37(45.72,-3.962) 38(45.72,0) 39(48.26,-3.962) 40(48.26,0)
F2UEE
  round 3.044 hole 1.8: 1(-6,0) 2(-6,-4) 3(-6,-8) 4(0,0) 5(0,-4) 6(0,-8)
ferrite_bead
  rect 1.321x1.321 hole 0.813: 1(0,0)
  round 1.321 hole 0.813: 2(13.97,0)
MFS201N-16-Z
  rect 1.905x1.905 hole 1.397: 1(0,0)
  round 1.905 hole 1.397: 2(0,-4) 3(0,-8) 4(2.5,-8) 5(2.5,-4) 6(2.5,0)
  round 2.311 hole 1.803: 7(1.25,4.1) 8(1.25,-12.1)
MountingHole_4mm
  oval 6x4 hole 6x4 unplated: (0,0)
PinHeader_1x08_P2.54mm_Vertical
  rect 1.7x1.7 hole 1: 1(0,0)
  oval 1.7x1.7 hole 1: 2(0,-2.54) 3(0,-5.08) 4(0,-7.62) 5(0,-10.16) 6(0,-12.7) 7(0,-15.24) 8(0,-17.78)
PinHeader_1x16_P2.54mm_Vertical
  rect 1.7x1.7 hole 1: 1(0,0)
  oval 1.7x1.7 hole 1: 2(0,-2.54) 3(0,-5.08) 4(0,-7.62) 5(0,-10.16) 6(0,-12.7) 7(0,-15.24) 8(0,-17.78) 9(0,-20.32) 10(0,-22.86) 11(0,-25.4) 12(0,-27.94) 13(0,-30.48) 14(0,-33.02) 15(0,-35.56) 16(0,-38.1)
PinSocket_1x12_P2.54mm_for_memory_board_adapter
  rect 1.7x1.7 hole 1: 1(0,0)
  oval 1.7x1.7 hole 1: 2(0,-2.54) 3(0,-5.08) 4(0,-7.62) 5(0,-10.16) 6(0,-12.7) 7(0,-15.24) 8(0,-17.78) 9(0,-20.32) 10(0,-22.86) 11(0,-25.4) 12(0,-27.94)
power_connector_post
  round 2.794 hole 2.286: 1(0,0)
R_Axial_DIN0204_L3.6mm_D1.6mm_P7.62mm_Horizontal
  round 1.4 hole 0.7: 1(0,0)
  oval 1.4x1.4 hole 0.7: 2(7.62,0)
R_Axial_DIN0207_L6.3mm_D2.5mm_P10.16mm_Horizontal
  round 1.6 hole 0.8: 1(0,0)
  oval 1.6x1.6 hole 0.8: 2(10.16,0)
R_Axial_DIN0309_L9.0mm_D3.2mm_P12.70mm_Horizontal
  round 1.6 hole 0.8: 1(0,0)
  oval 1.6x1.6 hole 0.8: 2(12.7,0)
R_Axial_DIN0411_L9.9mm_D3.6mm_P12.70mm_Horizontal
  round 2.4 hole 1.2: 1(0,0)
  oval 2.4x2.4 hole 1.2: 2(12.7,0)
RELAY_J0971CS5VDC.45
  round 1.95 hole 1.3: 11(4.97,-3.81) 12(3.446,3.81) 14(7.51,3.81) A2(-7.73,3.81)
  rect 1.95x1.95 hole 1.3: A1(-7.73,-3.81)
SolderJumper-2_P1.3mm_Open_RoundedPad1.0x1.5mm
  custom 1x1.5 smd: 1(-0.65,0) 2(0.65,0)
SolderJumper-3_P1.3mm_Open_RoundedPad1.0x1.5mm_NumberLabels
  custom 1.05x1.5 smd: 1(-1.3,0) 3(1.3,0)
  rect 1x1.5 smd: 2(0,0)
TO-92_Inline
  rect 1.05x1.5 hole 0.75: 1(0,0)
  oval 1.05x1.5 hole 0.75: 2(1.27,0) 3(2.54,0)
TO-220-3_Horizontal_TabDown
  oval 3.5x3.5 hole 3.5 unplated: (2.54,16.66)
  rect 1.905x2 hole 1.1: 1(0,0)
  oval 1.905x2 hole 1.1: 2(2.54,0) 3(5.08,0)
